# Allegro board A527_draft_V1_0.brd (continued)
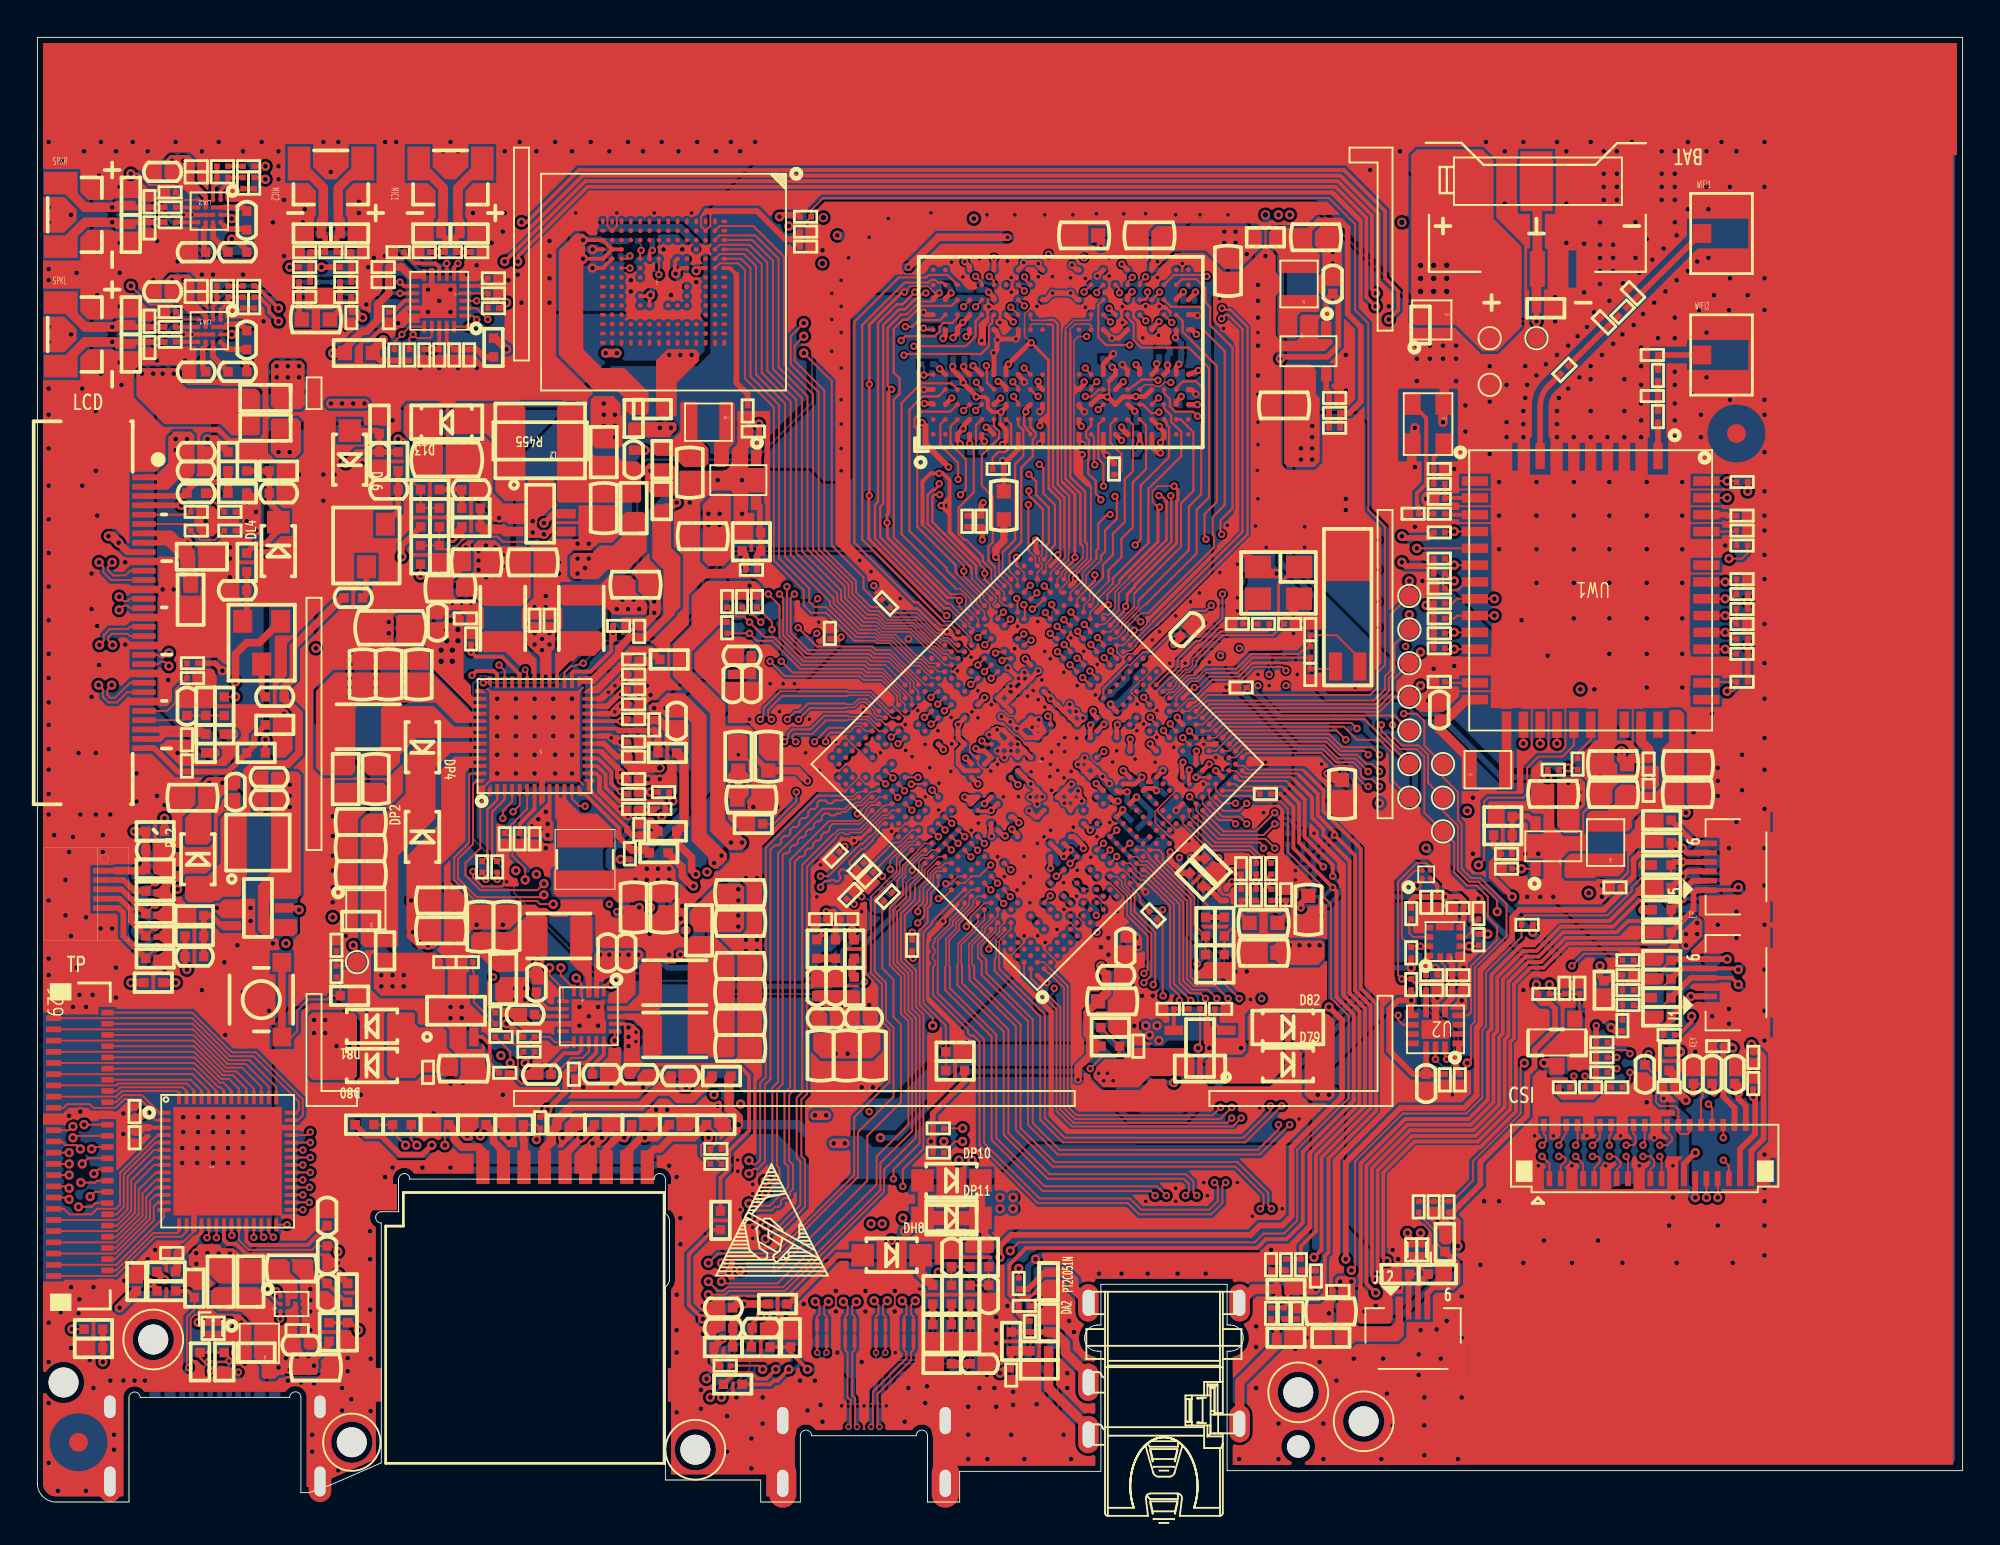
[diagram p0: board, top side]
## Routing (per net, layer and track width the routed paths; a pad name or vN(x,y) marks a point on that pad's centre or on a via; arc(x,y) is an arc through that point) (continued)
  TOP w0.1: U1.P24 49.96,40.58 49.89,40.5 ; 52.1,29 52.1,28.5 54.33,26.27 54.33,20.77 55.2,19.9 64.4,19.9 65.4,20.9 v1(65.4,21.1) 65.4,21.2 ; 57.92,49.37 57.89,49.35 57.89,49.22 57.25,48.57 57.25,47.92 ; v2(25.6,42) v2(24.6,43) ; 50.29,50.43 50.39,50.33 50.39,50.29 50.41,50.27 50.41,50.2 50.68,49.93 v1(50.68,49.71) ; Y2.3 71.5,49.22 71.5,43.7 71.3,43.5 68.6,43.5 C35.2 ; 46.21,63.57 46.5,63.57 47.2,64.26 47.84,64.26 UD1.A10 ; U1.C30 43.95,38.79 43.89,38.73 ; v1(43.7,35.4) 43.65,35.45 42.95,35.45 41.9,34.4 v1(41.9,34.1) 41.5,33.7 41.5,32.6 v1(41.7,32.4) ; v1(48.45,31.1) 48.45,30.95 47.6,30.1 47.6,26.9 49.1,25.4 ; v2(44.5,26.6) 44.7,26.8 44.7,27.9 44.2,28.4 44.2,30.9 43.9,31.2 43.7,31.2 ; 49.1,25.4 49.27,25.23 49.27,24.43 ; 49.1,25.4 49.1,24.6 49.27,24.43 ; 65.4,21.2 65.8,21.6 66.7,21.6 67.5,20.8 v1(67.5,20.5) 67.5,20 66.6,19.1 v1(66.6,15.7) 66.1,15.2 65.1,15.2 v1(65,15.3) ; 65.4,21.2 65,21.6 JZ5.5 ; 49.27,24.43 R9.1 50.1,23.6 50.1,18.9 50.7,18.3 50.9,18.3 54.2,15 64.7,15 v1(65,15.3) ; v2(75,12.8) 74.5,13.3 74.5,14.52 74.16,14.86 73.06,14.86 72.7,14.5 72.7,13.7 v2(72.5,13.5) ; v1(23.3,33.75) 23.3,33.45 23.8,32.95 24.85,32.95 v1(25.1,33.2) 25.4,33.2 ; UL3.17 8.38,14.5 7.78,13.9 7.45,13.9 CL29.2 ; 59.86,43.28 U1.AL13 ; v1(60.9,16.1) 61,16 62.2,16 v1(62.6,16.4) 62.4,16.6 v1(62.4,17.1) 62.9,17.6 63.7,17.6 v1(64.2,17.1) 64.2,16.1 v1(65,15.3) ; v1(60.9,16.1) v1(60.9,16.8) ; v1(60.9,16.1) 60.8,16 59.4,16 v1(59.3,16.1) ; 54.8,54.63 54.85,54.59 ; 48.7,48.41 49.19,48.41 v1(49.33,48.26) 49.33,48.26 49.33,47.91 U1.AC33 ; v2(27.6,42) v2(28.6,43) ; v1(49.95,45.22) 49.95,45.52 49.92,45.55 ; 54.7,28.75 55.33,28.13 55.33,22.22 JZ5.1 ; C32.2 41.9,22 41.2,21.3 41.2,18.8 41.5,18.5 41.5,15.6 39.5,13.6 38.78,13.6 v1(38.27,14.11) v1(38.27,14.71) 38.18,14.8 37.7,14.8 37.6,14.9 v1(37.6,15.65) 37.6,16.2 37.91,16.51 v1(38.27,16.51) v1(38.27,17.01) 38.07,17.01 37.47,17.61 v1(37.47,17.71) v1(37.47,18.31) 37.47,18.61 38.35,19.49 38.35,22.65 38.6,22.9 38.6,29.4 v2(38.5,29.5) v2(38.5,30.1) v2(38.5,33.4) 38.5,35.1 41.83,38.43 v1(41.83,39.15) ; 39.7,41.25 40,41.55 40.45,41.55 ; 39.7,41.25 C49.2 ; 39.7,41.25 v1(39.7,42.3) ; v2(26.6,40) v2(25.6,39) ; v1(59.18,41.65) 59.16,41.67 U1.AJ13 ; v2(24.6,39) v2(25.6,40) v2(26.6,41) ; v2(85.9,35.3) 85.8,35.3 85.1,34.6 85.1,33.7 84.7,33.3 84.3,33.3 84.1,33.1 RA40.1 ; C34.2 63.4,47 61.4,45 v1(61.4,44.9) ; v2(92.4,18.6) 92.65,18.85 92.65,24.45 v2(92.4,24.7) ; v1(60.03,46.59) 60.03,46.75 61.06,47.78 61.06,47.78 61.23,47.95 61.68,47.95 61.7,47.97 v1(61.7,48.19) ; UD1.P1 56.54,56.99 56.54,56.36 ; v1(62.5,47.05) 62.5,47 60.58,45.08 v1(60.58,44.9) ; 49.7,45.77 49.61,45.86 U1.AA32 ; 40.45,41.55 40.95,41.55 v1(41.3,41.9) ; 40.45,41.55 40.4,41.6 ; 50.62,48.51 49.57,49.56 49.57,49.82 v1(49.56,49.83) 49.56,50.12 47.35,52.33 ; 59.8,53.39 59.93,53.26 v1(60.04,53.26) ; v2(41,10.6) 41,10.8 41.5,11.3 v2(42.72,11.3) v2(42.72,10.2) ; v1(65.6,36.9) 65.98,37.28 66.42,37.28 66.6,37.1 66.6,33.5 66.9,33.2 ; 52.81,62.82 52.81,62.7 ; v2(27.6,41) v2(28.6,40) ; v2(26.6,42) v2(27.6,43) ; DU2.1 8.5,7.2 8.5,7.4 8.2,7.7 8.2,9.8 8.43,10.03 10.47,10.03 v2(10.9,9.6) ; U1.AG33 51.48,48.59 ; v1(55.53,49.46) 55.53,49.62 55.54,49.63 55.7,49.79 55.71,49.8 56.37,50.46 56.37,54.29 ; v2(8.6,19.8) v2(7.8,20.6) ; v2(25.6,41) v2(24.6,40) ; C96.2 v1(74,31.5) ; v1(62.7,44.96) 62.86,44.8 64,44.8 64.9,45.7 ; v2(45.87,10.2) v2(45.87,11.3) v2(44.3,11.3) v2(44.3,10.2) ; 54.85,63.14 54.8,63.1 ; v2(9.4,19.8) v2(8.6,20.6) ; 62.43,39.95 62.95,39.95 v1(63.05,39.85) U1.AK5 62.43,39.95 ; 30.5,68.8 30.5,68.3 UM1.N2 31,68.3 v1(31,69) 30.7,69 30.5,68.8
  TOP w0.114: U1.AG33 50.68,49.39 ; v1(67.4,44.3) 67.4,44.5 67,44.9 64.99,44.9 64.32,44.24 ; U1.K16 51.36,36.65 50.69,36.65 U1.J17 ; 51.38,33.84 v1(51.37,34.54) ; v1(51.03,42.69) 51.03,43.4 51.05,43.41 ; v1(58.22,47.95) 58.12,47.85 58.12,47.66 57.39,46.92
  TOP w0.127: v1(58.06,63.13) 58.01,63.18 58.01,63.95 v1(58.05,63.98) ; 54.09,58 54.11,57.99 54.11,54.27 54.14,54.23 54.14,54.21 54.72,53.63 54.72,50.8 54.62,50.7 v1(54.6,50.7) ; 58.95,63.14 58.64,63.44 58.64,63.91 58.62,63.93 ; 56.2,54.5 56.37,54.33 56.37,54.29 ; 55.03,63.47 55.11,63.55 UD1.N9 ; v1(52.28,45.68) 52.41,45.55 ; 52.41,45.55 52.44,45.52 U1.AC26 ; 52.41,45.55 53.11,45.55 U1.AE26 ; 52.14,65.54 52.14,64.95 ; 56.1,48.81 56.1,48.84 56.57,49.31 v1(56.57,49.63) ; U1.AG3 62.04,38.09 v1(62.38,38.43) ; v1(63.66,52.29) 64.16,52.79 64.16,62.34 63.7,62.81 v1(63.46,62.81) ; v1(51.49,63.14) 51.51,63.16 51.51,64.04 ; 55,49.95 55.51,50.45 v1(55.51,50.57) ; v1(57.24,59.15) 57.34,59.25 57.34,60.01 ; v1(56.57,55.52) 56.54,55.56 56.54,56.36 ; U1.R19 U1.T18 ; v1(51.28,50.58) 51.44,50.42 ; v1(45.7,59.56) 45.49,59.77 45.49,62.85 46.21,63.57 ; v1(52.88,58.36) 52.79,58.26 52.79,57.6 52.94,57.45 52.94,57.4 53.13,57.21 UD1.J1 ; UD1.E8 50.53,62.87 50.84,63.19 50.84,63.86 50.91,63.93 v1(50.91,63.98) ; U1.AE14 57.41,41.29 57.41,41.92 56.6,42.73 v1(56.6,43.2) ; 57.34,64.91 57.34,65.44 ; 50.68,49.39 v1(50.68,49.71)
  TOP w0.152: 58.95,63.14 58.95,63.08 58.98,63.05 UD1.V8 ; v1(58.22,47.95) 58.3,48.02 58.3,48.58 58.69,48.98 58.69,49.06 60.95,51.32 60.95,53.56 61.02,53.63 61.02,54.18 v1(60.82,54.38) ; v1(46.39,64.77) 46.26,64.77 44.51,63.01 v1(44.51,59.84) v1(44.51,53.87) 44.51,53.77 44.48,53.74 44.48,51.55 48.25,47.78 ; 54.09,58.27 54.09,57.64 UD1.K2 53.96,58.14 ; 54.09,58.27 53.96,58.14 ; 54.09,58.27 54.09,61.13 v1(53.17,62.05) ; 52.47,50.07 52.38,50.16 v1(52.38,50.57) ; v1(58.69,46.66) 58.69,46.46 58.53,46.3 ; 48.7,48.41 45.47,51.63 45.47,52.4 v1(45.45,52.42) 45.45,52.85 45.52,52.92 ; 53.96,58.14 53.96,57.88 54.11,57.73 ; 59.95,53.17 59.95,53.23 ; 59.95,53.17 v1(60.04,53.26) ; 59.95,53.17 59.95,51.4 57.92,49.37 ; v1(55.51,50.57) 55.51,53.93 54.85,54.59 ; v1(63.66,52.29) 63.66,52.23 63.74,52.14 63.74,51.53 59.94,47.73 ; 55.25,63.55 54.85,63.14
  TOP w0.2: UA3.15 20.7,63.5 v2(20.9,63.7) 21.1,63.9 ; v1(48.21,37.04) 47.49,36.32 47.49,35.61 ; v2(71.6,10.5) 70.8,11.3 70.8,18.12 73.18,20.5 76.58,20.5 77.6,21.52 77.6,25.13 77.8,25.33 77.8,28.22 79.38,29.8 80.08,29.8 81.38,31.1 84.1,31.1 85.7,32.7 v2(85.9,32.7) ; v2(31.75,64.8) 32,65.05 ; 32,65.05 31.75,65.3 ; 32,65.05 UM1.K8 ; v2(73.8,33) 74.1,33.3 U5.A1 ; v2(29,25.5) 28.9,25.6 UP8.9 ; v3(8.25,62.5) UA1.C4 UA1.C3 UA1.C2 ; UM1.N5 UM1.P6 v2(29.7,66.05) ; v3(8.25,68.9) UA2.C4 UA2.C3 UA2.C2 ; v2(85.9,29.4) 85.7,29.6 82,29.6 80.7,28.3 80,28.3 79.3,27.6 79.3,24.71 79.1,24.51 79.1,20.9 77.2,19 73.8,19 72.3,17.5 72.3,13.7 v2(72.5,13.5) ; UD1.K11 53.78,65.18 54.2,65.6 v1(54.3,65.6) ; UL3.17 8.38,16.44 UL3.57 11.98,20.04 UL3.40 ; v1(12.8,11.3) 13,11.1 UP2.A1 ; 21.1,63.9 UA3.14 ; 21.1,63.9 v2(21.5,64.3) 21.1,64.7 UA3.9 ; v2(34.5,67.05) 34.75,67.05 35.13,66.67 35.37,66.67 UM1.C4 ; v1(38.1,41.9) 38.1,41.8 39.1,40.8 C49.2 ; 47.16,40.24 v1(47.49,40.56) ; 47.16,40.24 46.82,39.89 v1(46.79,39.89) ; 47.16,40.24 47.49,39.91 U1.J26 ; 47.16,40.24 46.84,40.56 U1.J28 46.78,40.58 47.13,40.93 ; v1(47.49,40.56) 47.13,40.93 ; v1(47.49,40.56) U1.L27 ; UM1.P4 v2(29.7,67.05) ; UM1.H10 33.25,64.15 33.7,64.6 v2(33.9,64.6) ; UP2.A4 14.3,11 14.6,11.3 ; U1.J3 v1(54.92,31.72) ; UP1.8 27,40.6 v2(26.6,41) ; U1.AN11 61.84,43.6 v1(61.9,43.6) ; UP2.B4 14.4,10.6 v2(14.6,10.8) ; v2(35.25,65.3) 35.1,65.3 34.85,65.55 UM1.E7 ; 67.8,39.6 v1(65.7,39.6) ; 67.8,39.6 68.6,39.6 v1(68.7,39.5) ; 67.8,39.6 69.1,38.3 69.1,37.1 71.1,35.1 71.1,27.7 71.93,26.87 71.93,20.83 69.4,18.3 69.4,13 69.2,12.8 69.2,11.38 CU11.1 69.28,10.95 68.73,10.4 RA7.1 ; v2(85.9,30.5) 85.6,30.2 81.75,30.2 80.45,28.9 79.75,28.9 78.7,27.85 78.7,24.95 78.5,24.75 78.5,21.15 76.95,19.6 73.55,19.6 71.7,17.75 71.7,12.5 72.2,12 v2(72.2,11.5) ; 47.13,40.93 v1(46.43,41.62) U1.L30 47.1,42.29 v1(47.1,42.37) ; v2(25.7,65.7) 26.2,66.2 26.2,66.75 29.55,70.1 69.33,70.1 70.8,68.63 70.8,64 71.3,63.5 71.8,63.5 v2(72.3,64) 72.3,64.7 71.7,65.3 71.7,69 69.7,71 29.18,71 25.18,67 24.7,67 v2(24.3,67.4) ; v1(46.79,39.89) 46.5,39.6 46.5,39.43 ; v1(46.79,39.89) v1(46.45,40.23) ; v1(68.3,35.8) 68.3,35.7 69.9,34.1 69.9,27.1 70.73,26.27 70.73,21.32 68.1,18.7 68.1,14.7 66.9,13.5 v2(66,13.5) ; v1(39.2,43.8) v1(39.9,43.8) v1(40.5,43.8) 40.6,43.7 45.06,43.7 U1.L33 ; UM1.G5 33.75,66.8 v2(33.5,67.05) ; v1(48.66,46.59) 48.76,46.59 49.13,46.22 U1.AA32 ; U1.L3 v1(55.6,32.43) ; UP2.C4 v2(14.6,10.2) ; 38.7,43.3 38.1,42.7
  TOP w0.203: 64.9,45.7 66.89,45.7 67.2,46.01 v1(67.2,46.5) 66.85,46.15 63.55,46.15 62.7,45.3 v1(62.7,44.96) 62.55,44.96 61.95,44.36 ; U1.AH9 60.38,40.4 v1(60.8,40.4) 60.8,39.98 U1.AH7 ; v1(54.55,30.65) U1.E3 ; U1.K24 48.2,39.15 ; v1(52.44,46.88) 53.1,46.88 U1.AG28 53.32,46.92 v1(53.53,47.13) ; 48.8,52.88 48.8,51.92 50.29,50.43 ; 48.8,52.88 48.8,53.78 ; 48.8,52.88 v1(48.35,53.33) 48.8,53.78 ; v1(50.22,59.15) 50.71,59.15 50.85,59.01 50.85,58.59 51.09,58.34 v1(51.55,58.34) ; U1.AN31 54.63,50.53 54.63,50.67 v1(54.6,50.7) ; 48.8,53.78 48.8,54.7 48.44,55.06 v1(48.24,55.06) 47.79,55.06 47.35,54.63 47.35,52.33 ; v1(45.7,59.56) 45.52,59.38 45.52,52.92 ; U1.C30 U1.C31 ; v1(63.6,43.62) 62.99,43.62
  TOP w0.25: U1.AD11 v1(57.74,40.21) ; v1(57.74,40.21) U1.AE12 ; v1(57.74,40.21) 57.53,39.99 v1(57.53,39.61) ; v1(57.74,40.21) U1.AD13 ; U1.AL3 v1(63.05,39.85) ; U1.G18 v1(49.96,35.96) ; 53.43,36.04 53.57,36.04 U1.N12 v1(54.21,35.96) ; 53.43,36.04 v1(53.85,35.61) ; 53.43,36.04 U1.M13 ; v1(52.79,30.31) U1.C6 U1.D6 ; U1.U25 51.01,41.99 ; U1.U25 v1(50.32,41.97) 49.97,41.63 ; U1.U25 50.03,42.33 v1(50,42.3) 50,42.29 U1.T24 ; v1(41.83,39.15) U1.A33 U1.A32 ; v1(53.5,35.26) v1(53.85,35.61) ; v1(53.5,35.26) U1.L10 ; v1(53.5,35.26) U1.K11 ; v1(53.5,35.26) U1.L12 U1.K12 ; v1(53.85,35.61) v1(54.21,35.96) ; v1(55.42,36.13) 55.46,36.13 U1.R7 v1(56.68,35.61) ; U1.L6 54.93,33.15 v1(54.9,33.15) 54.9,33.12 U1.J6 ; U1.AN1 64.91,39.6 v1(65.7,39.6) ; 49.97,41.63 50.32,41.28 U1.R24 ; 49.97,41.63 49.8,41.46 49.8,41.08 U1.P24 ; v1(49.51,63.14) 49.23,62.86 UD1.C8 ; UD1.J12 53.5,65.58 v1(53.54,65.58) ; v1(54.21,35.96) U1.P11 ; v1(54.92,38.76) 54.88,38.76 U1.U14 ; v1(61.6,35.4) 61.6,35.64 U1.AC1
  TOP w0.254: 51.76,34.93 U1.J13 U1.J12 ; 51.76,34.93 v1(51.37,34.54) 51.03,34.89 U1.G14 ; 51.76,34.93 51.79,34.93 52.12,34.6 ; U1.AG7 U1.AH7 ; U1.AG7 60.37,39.7 59.9,39.7 v1(59.8,39.6) ; U1.AG7 U1.AG6 ; v1(47.74,39.3) 47.75,39.31 48.04,39.31 U1.J23 ; v1(47.74,39.3) 47.56,39.3 47.28,39.58 47.22,39.58 ; v1(47.74,39.3) 47.74,38.89 47.84,38.79 U1.H24 47.93,38.79 v1(48.24,38.48) U1.J23 ; v1(47.74,39.3) 47.72,39.32 47.72,39.62 U1.J26 ; 54.97,40.19 54.94,40.22 54.94,40.24 54.56,39.86 U1.W16 ; 54.97,40.19 54.96,40.18 v1(54.96,40.16) ; 54.97,40.19 54.97,40.21 54.66,40.52 54.66,40.54 v1(54.64,40.56) ; v1(53.9,45.53) 53.9,45.56 U1.AG25 53.78,46.3 ; v1(53.9,45.53) 53.78,45.65 53.29,45.65 U1.AE26 U1.AE25 ; v1(53.9,45.53) 53.79,45.53 53.79,45.45 U1.AE25 ; 54.26,40.22 54.26,40.25 53.9,40.61 ; 54.26,40.22 54.58,40.54 54.62,40.54 v1(54.64,40.56) ; 54.26,40.22 v1(54.26,40.14) ; U1.N18 52.05,38.12 ; U1.N18 U1.M18 ; U1.N18 U1.N19 ; 52.05,38.12 52.05,38.12 52.41,37.76 52.46,37.76 ; 52.05,38.12 51.68,37.75 v1(51.68,37.75) ; v1(53.13,33.49) 53.13,33.48 ; 53.13,33.48 53.16,33.48 53.2,33.52 ; 53.13,33.48 53.13,33.48 v1(52.77,33.13) ; UD1.AB5 61.6,60.35 62.09,60.55 v1(62.11,60.57) ; 51.03,38.44 U1.M18 ; 51.03,38.44 U1.N19 ; 51.03,38.44 U1.M19 ; 51.03,38.44 U1.L19 ; U1.M18 51.38,38.05 v1(51.68,37.75) ; U1.AD21 U1.AE21 ; U1.AD21 U1.AD22 ; U1.AD21 U1.AD20 55.27,43.39 U1.AE20 ; U1.AE21 55.25,44.08 55.25,44.08 ; U1.AE21 U1.AE20 ; U1.AE21 U1.AE22 ; U1.Y18 54.21,40.91 53.9,40.61 ; U1.Y18 U1.AA18 54.61,41.27 v1(54.96,40.92) ; U1.Y18 54.28,40.91 v1(54.64,40.56) ; U1.AD22 53.94,44.01 v1(53.74,44.01) ; U1.AD22 54.21,43.74 U1.AE22 ; v1(60.98,42) 60.99,42 60.99,41.91 U1.AL9 ; v1(53.17,62.05) 53.1,62.05 v1(51.95,60.91) 51.83,60.78 UD1.G5 ; U1.N10 55,36.05 55.31,36.05 55.39,36.13 v1(55.42,36.13) 55.42,36.25 55,36.67 U1.R11 ; U1.AD14 U1.AE14 ; U1.AD14 U1.AB14 55.98,40.56 ; U1.AD14 U1.AD13 ; U1.AE9 59.16,40.11 59,40.27 59,40.76 U1.AG11 58.82,41.25 v1(58.82,41.29) v1(59.18,41.65) ; U1.AE9 U1.AD9 58.73,39.22 v1(58.73,39.77) ; U1.AE9 58.89,39.77 v1(58.73,39.77) ; UD1.K9 53.5,63.83 53.5,63.98 v1(53.48,64) UD1.J10 53.77,65 53.78,65 UD1.K11 53.55,65.38 53.55,65.57 53.54,65.58 v1(53.54,65.58) ; 58.92,33.01 v1(59.29,32.65) ; v1(54.64,40.56) 54.66,40.58 54.66,40.61 v1(54.96,40.92) ; U1.AE25 U1.AE24 ; 48.55,40.94 48.53,40.96 48.47,40.96 48.18,41.25 ; 48.55,40.94 48.57,40.96 48.59,40.96 48.74,41.1 ; 48.55,40.94 48.56,40.94 48.74,40.76 ; 54.91,35.96 54.79,36.09 54.56,36.32 U1.P11 ; 52.84,33.88 52.45,33.49 U1.G10 ; 52.84,33.88 52.12,34.6 ; 52.84,33.88 U1.J10 ; 52.84,33.88 53.2,33.52 ; U1.J28 v1(46.45,40.23) U1.G28 ; 52.12,34.6 52.13,34.6 U1.J12 ; v1(48.87,39.11) 48.87,39.18 U1.K24 ; v1(48.87,39.11) U1.J23 ; v1(48.87,39.11) 48.94,39.11 U1.K22 ; 55.25,44.08 55.58,43.75 55.58,43.7 ; 55.25,44.08 v1(54.91,44.41) ; UD1.N2 55.73,57.71 v1(55.85,57.59) ; 53.49,39.51 52.8,39.51 U1.T18 52.79,39.46 v1(53.16,39.09) ; 53.49,39.51 v1(53.76,39.78) 53.86,39.88 ; 53.49,39.51 U1.U16 ; 53.49,39.51 53.49,39.41 v1(53.16,39.09) ; U1.P11 54.21,36.67 54.56,37.03 ; U1.P11 U1.R11 ; v1(52.48,37.76) 52.79,37.45 U1.N15 52.79,37.33 52.46,37 ; v1(52.48,37.76) 52.48,37.77 U1.P16 ; v1(52.48,37.76) 52.46,37.76 ; 48.18,41.25 v1(48.18,41.29) 48.22,41.29 U1.N27 ; 48.18,41.25 U1.L27 ; U1.AA22 52.98,42.85 v1(52.98,43.14) ; U1.AA22 53.41,42.95 v1(53.54,42.95) ; U1.AA22 U1.AA21 53.68,42.33 v1(53.9,42.55) 53.54,42.91 v1(53.54,42.95) ; U1.AA22 U1.Y22 ; U1.U27 50.31,43.39 v1(50.31,43.42) 50.35,43.42 U1.W27 50.72,43.74 51.05,43.41 U1.Y26 U1.AA26 ; UD1.N4 55.99,59.81 55.99,59.94 56,59.95 v1(56,59.96) ; U1.F10 U1.G10 ; U1.F10 v1(52.41,32.76) ; U1.F10 v1(51.73,33.48) 51.38,33.84 U1.F12 ; U1.G10 52.44,33.46 v1(52.77,33.13) ; 54.94,38.81 54.93,38.81 v1(54.92,38.76) ; 54.94,38.81 55.26,39.13 55.29,39.13 ; 54.94,38.81 54.6,39.14 54.6,39.16 v1(54.59,39.17) 54.59,39.17 ; U1.J12 U1.K12 U1.K11 U1.K10 ; U1.J12 v1(52.78,34.56) ; v1(56.36,34.52) 56.3,34.52 55.98,34.2 ; UD1.K4 53.78,59.56 53.58,59.76 53.58,59.91 53.54,59.95 v1(53.54,59.98) ; v1(52.98,43.14) v1(53.27,43.43) ; v1(52.98,43.14) 52.89,43.14 U1.Y23 U1.Y22 ; v1(53.27,43.43) 53.54,43.16 v1(53.54,42.95) ; v1(53.27,43.43) 53.74,43.9 v1(53.74,44.01) ; v1(50.4,66.54) 50.53,66.42 UD1.E12 ; U1.N27 U1.N26 48.74,41.1 ; U1.N27 48.88,41.95 v1(48.88,42) 48.92,42 U1.R27 ; v1(62.01,62.51) 61.76,62.75 UD1.AB8 ; 53.86,39.88 54.21,40.23 54.21,40.2 v1(54.26,40.14) ; 53.86,39.88 53.82,39.88 ; 53.86,39.88 54.22,39.52 ; 52.1,65.59 52.14,65.54 ; 52.1,65.59 51.83,65.86 UD1.G12 51.83,66.36 v1(51.89,66.43) ; 52.1,65.59 v1(52.1,65.54) ; U1.F8 U1.G8 53.12,32.78 v1(52.77,33.13) ; U1.F8 52.82,32.43 53.08,32.16 53.08,32.06 53.1,32.06 ; U1.F8 52.74,32.43 v1(52.41,32.76) ; U1.J10 U1.K10 ; U1.J10 U1.J9 ; U1.J10 v1(52.78,34.56) ; UD1.E8 v1(50.53,62.18) ; 54.22,39.52 54.55,39.19 54.57,39.19 54.59,39.17 ; 54.22,39.52 54.22,39.51 v1(54.2,39.49) U1.U16 ; 54.22,39.52 54.23,39.52 U1.W16 ; U1.AK11 59.9,42.29 v1(59.9,42.37) ; v1(47.45,58.8) 47.88,58.8 UD1.A3 ; U1.Y22 52.44,41.98 U1.W22 ; U1.AE23 U1.AE24 ; U1.AE23 54.51,44.75 ; U1.AE23 53.73,43.97 53.73,44 v1(53.74,44.01) ; U1.AE23 U1.AE22 ; U1.AE24 v1(54.19,45.14) 54.51,44.81 54.51,44.75 ; v1(54.17,38.83) 54.21,38.87 54.28,38.87 54.59,39.18 ; v1(54.17,38.83) 53.85,38.52 U1.T15 ; v1(54.17,38.83) U1.U14 54.26,38.14 v1(54.26,38.1) ; v1(54.17,38.83) U1.U16 ; 57.34,65.44 57.34,65.62 v1(57.34,65.62) 57.35,65.62 UD1.T12 57.65,65.95 57.34,66.26 v1(57.34,66.59) 57.26,66.59 57.09,66.42 56.85,66.42 UD1.P12 56.07,65.64 v1(56.07,65.49) UD1.N11 55.35,65.53 v1(55.28,65.53) ; 52.46,37.76 52.1,37.39 ; 53.2,33.52 53.2,33.55 53.49,33.84 U1.J9 ; U1.T15 U1.T16 53.46,38.79 v1(53.16,39.09) ; U1.T15 53.92,38.44 v1(54.26,38.1) ; U1.AE20 U1.AE19 ; U1.AE20 55.58,43.7 ; v1(55.29,46.25) 55.29,46.19 U1.AJ23 55.68,45.86 55.98,45.57 v1(55.98,45.53) 56.02,45.53 56.33,45.22 U1.AJ21 56.65,44.83 v1(56.7,44.83) 56.71,44.82 56.71,44.77 U1.AJ19 ; 53.78,46.3 53.78,46.85 U1.AH27 53.71,47.07 53.58,47.07 v1(53.53,47.13) ; 53.78,46.3 U1.AG28 ; v1(61.25,66.3) 61.15,66.4 60.72,66.4 UD1.Y12 60.28,65.89 v1(59.93,65.54) 59.63,65.24 UD1.W11 ; U1.R11 54.56,37.03 ; v1(60.02,64) 60.02,63.95 UD1.W9 59.57,63.61 59.57,63.73 v1(59.29,64) 59.22,63.93 58.1,63.93 v1(58.05,63.98) UD1.T10 57.34,64.69 57.34,64.91 ; v1(54.91,44.41) 54.86,44.46 54.8,44.46 54.51,44.75 ; v1(54.91,44.41) 54.88,44.41 U1.AE22 ; 47.84,37.38 47.84,37.41 v1(47.51,37.75) 47.47,37.75 U1.F24 ; 47.84,37.38 U1.F22 ; 47.84,37.38 47.88,37.38 v1(48.21,37.04) ; U1.AA16 v1(55.6,40.89) ; U1.AA16 55.27,40.61 v1(54.96,40.92) ; U1.AA16 U1.AA15 ; U1.AA16 55.27,40.47 v1(54.96,40.16) ; v1(55.6,40.89) 55.65,40.89 55.98,40.56 ; v1(55.6,40.89) 55.6,40.94 U1.AB17 54.96,40.96 v1(54.96,40.92) ; U1.W12 55.98,38.44 U1.W13 v1(55.31,39.11) 55.29,39.13 ; UD1.E1 50.53,56.93 v1(50.67,56.78) ; U1.Y15 v1(54.96,40.16) ; U1.Y15 U1.W15 ; U1.Y15 U1.AA15 ; UD1.AB10 61.96,64.73 v1(61.96,64.77) ; U1.N19 51.04,39.13 v1(51.01,39.13) v1(51.37,39.49) 51.39,39.49 U1.P19 ; U1.N19 U1.P19 ; 55.98,34.2 55.98,34.16 v1(55.63,33.82) 55.31,33.49 U1.L6 ; 55.98,34.2 U1.N6 ; U1.AE19 U1.AE18 56.49,43.2 ; U1.AE19 55.93,43.35 55.93,43.4 ; 55.98,40.56 U1.AB15 ; 55.98,40.56 U1.AA15 ; U1.W15 54.59,39.18 ; U1.W15 U1.W16 ; U1.W15 55.29,39.13 ; UD1.C8 49.23,62.57 v1(48.98,62.33) ; 59.81,46.24 59.78,46.24 59.69,46.14 v1(59.65,46.14) ; v1(51.55,58.34) 51.83,58.62 UD1.G3 ; U1.L13 U1.M13 52.46,37 ; v1(57.53,39.61) 57.49,39.57 57.11,39.57 U1.AB12 U1.AB11 ; v1(57.53,39.61) 57.85,39.61 U1.AD11 58.18,39.77 v1(58.73,39.77) ; v1(57.53,39.61) 57.53,39.29 U1.AB11 ; v1(58.98,56.61) UD1.V1 ; UD1.A10 47.93,64.4 v1(48.25,64.72) ; U1.K22 U1.K21 U1.J21 49.26,38.19 49,38.44 U1.J22 ; U1.K22 U1.J22 ; UD1.V12 58.98,66.35 v1(59.25,66.62) ; 52.46,37 U1.M16 ; v1(57.51,60.75) 57.68,60.58 UD1.T5 57.34,60.01 ; 55.93,43.4 v1(55.63,43.7) 55.58,43.7 ; 55.93,43.4 56.13,43.2 56.49,43.2 ; v1(54,27.8) 53.89,27.8 U1.A1 ; v1(54.26,38.1) 54.21,38.04 U1.R13 54.56,37.03 ; 56.49,43.2 v1(56.6,43.2) ; v1(50.91,63.98) 50.91,63.98 50.96,63.98 51,63.94 51.42,63.94 UD1.G10 51.83,64.49 v1(52.1,64.76) 52.14,64.8 52.14,64.95 ; 53.9,40.61 U1.V18 ; 52.1,37.39 U1.M16 ; 52.1,37.39 51.74,37.75 v1(51.68,37.75) ; U1.M16 U1.L16 U1.K16 U1.K15 ; U1.W16 54.27,40.14 v1(54.26,40.14) ; U1.AN24 56.71,47.63 57.11,48.03 v1(57.31,48.03) ; U1.K24 U1.L24 48.9,40.57 v1(48.92,40.58) 48.74,40.76 ; U1.K24 48.55,39.6 48.3,39.85 U1.K25 U1.K26 47.84,40.21 ; 47.22,39.58 U1.J26 ; 47.22,39.58 U1.G26 46.5,39.43 U1.G28 ; U1.J26 47.84,40.21 ; v1(43.86,36.84) 43.88,36.84 44.02,36.98 ; UD1.J3 52.88,58.51 v1(52.88,58.36) ; U1.P24 U1.R24 U1.T24 51.01,41.96 51.01,41.99 ; UD1.AB3 62.05,58.75 v1(62.06,58.75) ; v1(52.41,32.76) v1(52.77,33.13) ; U1.J23 U1.J22 ; UD1.Y5 60.46,60.54 v1(60.46,60.85) ; 48.74,40.76 48.74,41.1 ; U1.E29 45.1,39.59 v1(45.1,40.1) 45.61,40.1 U1.G29 U1.G28 ; U1.K10 U1.L10 ; U1.K10 U1.K9 U1.J9 ; v1(47.49,40.56) 47.84,40.21 ; 54.59,39.18 54.59,39.17 ; v1(53.4,51.49) 53.4,51.35 53.42,51.33 53.42,50.9 53.49,50.84 53.49,50.82 U1.AN33 ; v1(54.55,30.65) U1.G3 ; 53.82,39.88 U1.V19 U1.V18 ; 53.82,39.88 U1.V18 ; U1.AN28 55.51,49.29 55.51,49.35 55.53,49.37 v1(55.53,49.46) ; 61.4,47.95 61.98,48.53 62.05,48.53 v1(62.17,48.66) ; UD1.D11 49.51,65.52 v1(49.51,65.58) 49.47,65.62 49.47,65.71 UD1.C12 48.9,66.28 v1(48.9,66.37) ; UD1.V5 58.98,60.66 58.78,60.86 58.78,60.87 v1(58.78,60.88) ; 53.1,32.06 53.16,32.06 U1.F6 ; 53.1,32.06 v1(53.1,32.07) ; 49.95,45.2 49.93,45.18 49.93,45.12 U1.W30 49.29,44.49 v1(49.22,44.49) ; 49.95,45.2 v1(49.95,45.22) ; 49.95,45.2 50,45.2 U1.AA30 ; v1(49.7,30.8) 49.7,30.84 49.9,31.04 ; v1(59.89,40.94) U1.AH9 ; U1.AB10 U1.AB11 ; v1(50.34,36.34) U1.J17 ; v1(60.09,56.71) 60.09,56.78 60.28,56.97 UD1.Y1 60.28,57.28 60.03,57.53 v1(60.03,57.58) 60,57.58 UD1.W2 ; U1.E3 53.92,30.02 v1(53.92,29.95) ; 46.8,33.88 v1(46.8,33.82) ; v1(59.14,62.31) 58.98,62.47 UD1.V8 ; v1(52.44,46.88) 52.13,46.57 U1.AE29 U1.AC29 ; v1(58.06,63.13) UD1.T8 ; UD1.D2 49.58,57.65 49.58,57.5 v1(49.52,57.45) UD1.C1 49.23,56.82 49.37,56.68 v1(49.37,56.64) ; v1(49.51,63.14) 49.88,63.51 UD1.D9 ; U1.AJ13 58.83,42.65 v1(58.83,42.71) ; U1.P19 U1.R19 ; 52.48,34.24 52.48,34.26 v1(52.78,34.56) ; U1.AM5 v1(62.4,40.56) ; UD1.P10 56.38,64.27 v1(56.07,63.95) 56.07,63.89 UD1.N9 ; UD1.W4 59.25,59.18 v1(58.76,59.18) 58.62,59.18 58.6,59.16 58.08,59.16 UD1.T3 57.28,59.15 57.24,59.15 v1(57.24,59.15) 57.21,59.18 56.8,59.18 56.38,58.75 UD1.P3 ; v1(48.96,60.78) 48.96,60.62 UD1.C5 49.51,60.07 49.51,59.94 v1(49.54,59.92) 49.54,59.89 UD1.D4 50.22,59.21 v1(50.22,59.15) ; UD1.G8 51.49,63.08 v1(51.49,63.14) ; v1(47.1,42.37) 47.17,42.37 U1.N30 ; v1(53.64,57.61) 53.66,57.64 53.66,57.84 UD1.K2 ; v1(57.37,36.37) 57.37,36.3 U1.U7 ; UD1.E5 v1(50.06,60.82) ; 51.52,57.71 51.83,57.4 UD1.G1 51.83,56.79 v1(51.63,56.6) ; UD1.Y8 v1(59.98,62.45) ; v1(58,56.82) UD1.T1
  TOP w0.3: v1(64.2,47.7) 64,47.7 63.9,47.6 C34.2 ; DA4.1 53.1,5.6 v2(53.46,5.24) ; v1(85.7,18) 85.69,17.99 JV1.19 ; CP38.2 32.2,44.1 ; CP38.2 v2(32.2,43.1) CP36.2 CP41.2 ; CP38.2 32.5,43.5 32.6,43.6 ; 32.2,44.1 v2(32.6,43.7) 32.6,43.6 ; 32.2,44.1 CP34.2 32.2,44.4 v2(32.5,44.7) 32.2,45 CP40.2 ; CA49.2 25.2,65.2 v2(25.2,65.4) ; v2(6.8,12.9) 6.89,12.99 CL29.2 ; CA17.2 CA9.2 8.8,71.7 ; CP1.2 25.1,35.1 v1(25.1,33.2) ; CP61.1 RP74.1 22.7,28.6 22.3,28.2 ; 75.7,21.9 C92.2 ; 75.7,21.9 v1(75.7,21.8) ; 75.7,21.9 R27.2 ; v2(8.5,43.6) 8.5,43.7 8.6,43.8 RL7.1 ; v2(2.9,43.1) 3.6,42.4 4.5,42.4 4.95,42.85 J11.25 ; C72.2 46.8,29.15 v1(46.85,29.1) ; v2(85.8,58.8) 85.8,58.9 CW6.1 ; 8.8,71.7 v2(8.8,72.3) ; 8.8,71.7 9.4,72.3 v2(11,72.3) ; v1(82.1,18) 82.09,17.99 JV1.7 ; RA12.1 6.5,63.7 v2(6.4,63.6) 6.3,63.5 CA30.2 ; 23.2,47.6 v1(22.7,48.1) ; 23.2,47.6 v1(23.2,48.1) ; 23.2,47.6 CP24.2 CP25.2 ; v2(87.5,16.3) 87.49,16.31 JV1.25 87.49,17.99 v1(87.5,18) ; RW63.1 v2(92.4,52.8) ; C96.2 C97.2 75.2,31.8 v2(75.3,31.7) ; U7.8 75.55,31.45 v2(75.3,31.7) ; 32.6,43.6 32.8,43.4 v2(32.8,43.2) 32.4,42.8 32.4,42.1 32.6,41.9 v2(32.6,41.8) 32.7,41.9 CP39.2 33.2,41.9 33.8,41.3 C112.2 ; J11.13 v2(6.7,48.85) ; 27.2,48.3 27.4,48.1 CP11.2 CP7.2 v2(26.6,47.9) ; C104.2 v1(62.5,47.05) ; RA11.1 6.5,70.1 v2(6.4,70) 6.3,69.9 CA27.2 ; v2(18,66.6) 17.7,66.9 CA34.1 ; v2(18,66.6) 18.2,66.4 CA53.2 ; v2(18,66.6) 18.1,66.7 v2(18.6,66.7) 18.7,66.7 18.9,66.9 CA52.2 ; v2(32.2,36.7) 32.6,37.1 32.65,37.1 ; v2(32.2,36.7) CP28.2 ; v2(32.2,36.7) CP26.2 32.55,37.1 v1(32.6,37.05) 32.65,37.1 ; v2(4.7,50.3) 4.75,50.35 J11.10 ; CP20.2 v2(31.8,46.9) CP42.2 ; v1(55.9,56.07) 55.8,55.97 ; 55.8,55.97 55.6,55.77 55.6,55.1 55.8,54.9 ; 55.8,55.97 55.8,54.9 ; CU4.2 v2(14.6,9.2) ; CA43.2 20.4,67.2 20.2,67.4 ; CA31.1 23.8,66.5 v2(23.5,66.2) ; v1(41.9,34.1) 42.2,34.1 R14.1 ; CA14.2 CA13.2 ; CA13.2 v2(8.8,65.7) ; CA13.2 v2(9.4,65.7) ; R36.2 v2(77.1,32.3) ; C55.2 41.6,32.3 v1(41.7,32.4) ; v1(65.3,59.3) 65.9,58.7 CD34.2 65.95,58.45 v1(65.3,57.8) ; C90.2 85.7,28.2 v2(85.9,28) ; v2(1.24,10.16) J29.52 v2(2.25,10.85) ; v2(90.5,26.4) v2(90.5,25.6) 90.7,25.4 J1.7 ; v2(90.5,26.4) 90.34,26.56 89.44,26.56 ; v2(90.5,26.4) 90.5,27.3 90.24,27.56 J1.3 ; RW24.1 v2(92.4,47) ; J12.1 71.77,10.33 v2(71.6,10.5) ; CP149.2 29,22.6 29.2,22.4 v2(29.2,22.2) ; CA53.2 CA54.2 ; CA53.2 v2(17.7,66.1) ; v1(63.6,43.62) 63.62,43.6 C23.2 ; v2(7,44) 6.65,44.35 J11.22 3.75,44.35 v2(3.3,44.8) ; C115.2 36.8,43.3 36.3,43.8 36.3,45 36.6,45.3 C114.2 ; JV1.13 83.9,17.31 v1(83.9,18) ; v2(34.4,15.2) 34.46,15.26 JC1.13 ; v1(74.8,21.8) 74.7,21.9 C93.2 ; 55.8,54.9 56.2,54.5 ; CV7.2 82.3,27.8 v1(82.1,28) 81.9,27.8 RV14.1 ; v2(27.2,35) 26.8,35 CP2.2 CP23.2 ; CD18.2 CD17.2 50.5,53.4 v1(50.6,53.5) ; v2(74.1,49.3) 74.5,48.9 CW8.1 ; v2(79.7,32.4) 79.7,32.5 79.2,33 78.9,33 78.3,33.6 RP43.1 ; CP37.2 32.2,40 v2(32.5,40.3) 32.2,40.6 CP33.2 ; v2(33.3,38.7) v2(32.67,38.7) CP35.2 CP32.2 ; C113.2 38.1,43.2 v1(38.1,41.9) ; v2(22.5,60.7) 22.3,60.9 CA45.2 ; v2(72.2,11.5) 72.4,11.7 DU11.1 72.8,12.6 v2(72.8,13) ; R26.1 v2(74.9,27) 74.8,26.9 U2.6 ; CL21.2 5,21.2 v2(4.6,20.8) v2(4.6,19.7) 4.6,19.5 4.9,19.2 CL22.2 ; CW2.1 85.8,61.1 v2(85.8,60.8) ; 89.44,26.56 J1.1 ; 89.44,26.56 89.6,26.4 v2(89.6,26) ; v2(92.4,16.8) 92.4,17.63 JV1.41 92.4,17.78 v2(92.4,18.6) ; v1(81.1,19.6) 81.19,19.69 JV1.4 ; v2(1.7,20.67) 1.53,20.5 J29.21 ; CM4.2 CM3.2 41.8,67.2 v2(42,67) ; CW5.2 v2(83.28,63.68) ; CA50.2 25.1,65.5 v2(25.2,65.4) ; R44.1 37.8,36.4 38.3,36.9 v2(38.3,37.2) ; J12.6 v2(74.86,9.24) ; J29.51 v2(1.8,11.5) ; CP59.1 21.2,22.4 v2(22.1,22.4) ; v2(25.2,65.4) 25.3,65.5 25.5,65.5 v2(25.7,65.7) ; v2(75.3,31.7) 75.4,31.8 C101.2 ; v2(75.3,31.7) 75.05,31.45 U7.9 ; 66.8,32.7 RA27.2 66.8,33.1 67,33.3 v1(67.3,33.3) ; CV4.2 v2(91.8,23.1) CV3.2 v2(91.3,23.5) 90.9,23.5 CV2.2 ; v1(63.25,64.41) 63.25,64.7 CD28.2 ; CA29.2 v2(6.4,61.1) ; v2(2.3,20.9) 2.4,20.8 J29.20 ; CU5.1 58.69,24.91 v2(58.69,25.49) 57.99,25.49 R48.1 ; 37.7,56.5 37.7,55.9 ; 37.7,56.5 37.5,56.3 UP7.2 ; 37.7,56.5 38,56.8 CP67.1 RM7.1 37.8,57.9 v2(37.8,57.7) ; v1(67.2,46.5) 67.3,46.6 C30.2 ; RL6.1 8.8,52.7 v2(9,52.5) 8.8,52.3 RL5.1 ; DA13.1 v2(17.2,69) v2(17.2,69.6) ; CD12.2 55.25,68.75 v1(55.4,68.9) ; CA46.2 v2(23.5,60.7) ; CA47.2 v2(21.5,60.7) ; C35.2 67.7,44 v1(67.4,44.3) ; C30.2 67.3,47.4 v2(67.2,47.5) ; C30.2 v2(67.7,47) C31.2 ; C48.2 42.1,47.1 v1(41.8,47.1) ; v1(43.71,33.2) R15.1 R39.1 v1(44.04,33.54) R40.1 ; RP68.2 25.3,22.2 v2(24.9,21.8) ; CW15.2 73.3,52.6 v2(73.7,52.2) ; JV1.16 84.79,19.69 v1(84.7,19.6) ; v2(83.7,32.4) 83.8,32.4 84.1,32.7 RA40.1 83.8,32.9 v2(83.7,33) ; v1(65.17,52.24) 65.17,51.65 v1(63.27,49.75) ; v2(70,59.5) 69.7,59.2 RD9.1 ; v2(16.5,30.3) 16.3,30.3 16.1,30.1 CP69.1 ; J29.1 v2(1.9,26.5) ; J11.19 4.75,45.85 v2(4.7,45.9) ; v1(86.5,19.5) 86.59,19.59 JV1.22 ; CW17.1 v2(86.2,38.8) CW19.1 ; RW25.1 v2(92.4,49.4) ; v2(76.2,26.85) 76.3,26.95 C91.2 C100.2 v2(76.3,28.6) 76.3,29.05 U7.4 ; v2(68.4,11.4) RA8.1 68.3,11.8 67.9,11.4 v2(67.8,11.4) ; v1(7.8,68.9) v3(8.25,68.9) ; CP137.2 v2(27,23.4) ; v2(13.2,66.7) 13.4,66.9 CA44.2 ; RA10.1 52.1,6 v2(52.2,5.9) ; D83.1 17.2,26.7 v2(17.6,26.3) ; RW12.2 v2(74.3,53.7) ; v2(6.4,67.5) CA26.2 ; CA48.2 20.7,60.9 v2(20.5,60.7) ; 32.65,37.1 CP31.2 ; R34.1 74.9,28.5 v1(74.8,28.6) ; v2(14.9,64.1) 14.6,64.4 RA28.2 ; J29.50 3.3,11.8 v2(3,11.5) ; C49.2 39.65,40.1 v1(41.1,40.1) ; v1(82.9,19.6) 82.99,19.69 JV1.10 ; CA51.2 v2(19.3,63.1) ; v2(32.4,22.2) 32.7,22.5 CP146.2 ; v2(3.38,30.7) JL4.6 v2(2.6,31.3) ; RW23.1 v2(74.7,44.6) ; RU9.2 59.8,26.4 v2(59.1,27.1) ; CW1.2 v2(84.84,65.24) ; J29.53 v2(2.25,27.15) ; C106.2 58.6,27.8 v1(58.6,27.7) ; RU10.2 64.4,26.4 v1(64.9,26.9) ; J11.16 4.95,47.35 4.74,47.14 3.44,47.14 v2(3.2,46.9) ; C56.2 43.7,31.2 v1(44.1,31.6) ; v1(7.8,62.5) v3(8.25,62.5) ; JV1.1 80.29,17.99 v1(80.3,18) ; RW16.1 v2(92.4,52) ; v2(89.1,23.7) 89.6,24.2 CV1.2 ; RA9.1 v2(66,13.5) ; CV6.2 v1(87,21.6) ; CP27.2 v2(31.2,34.4) ; CP136.2 v2(30.7,22.2) ; CA32.1 v1(64.7,34.5) ; CA33.1 v2(16.45,62.75) ; CW14.2 v2(75.8,55.3) ; CL2.2 8,39.9 v2(8.2,40.1) 8,40.3 CL4.2 7.9,40.5 v2(7.5,40.1) 7.9,39.7 CL2.2